# KiCad board Lime_RFE_fab.kicad_pcb (continued)
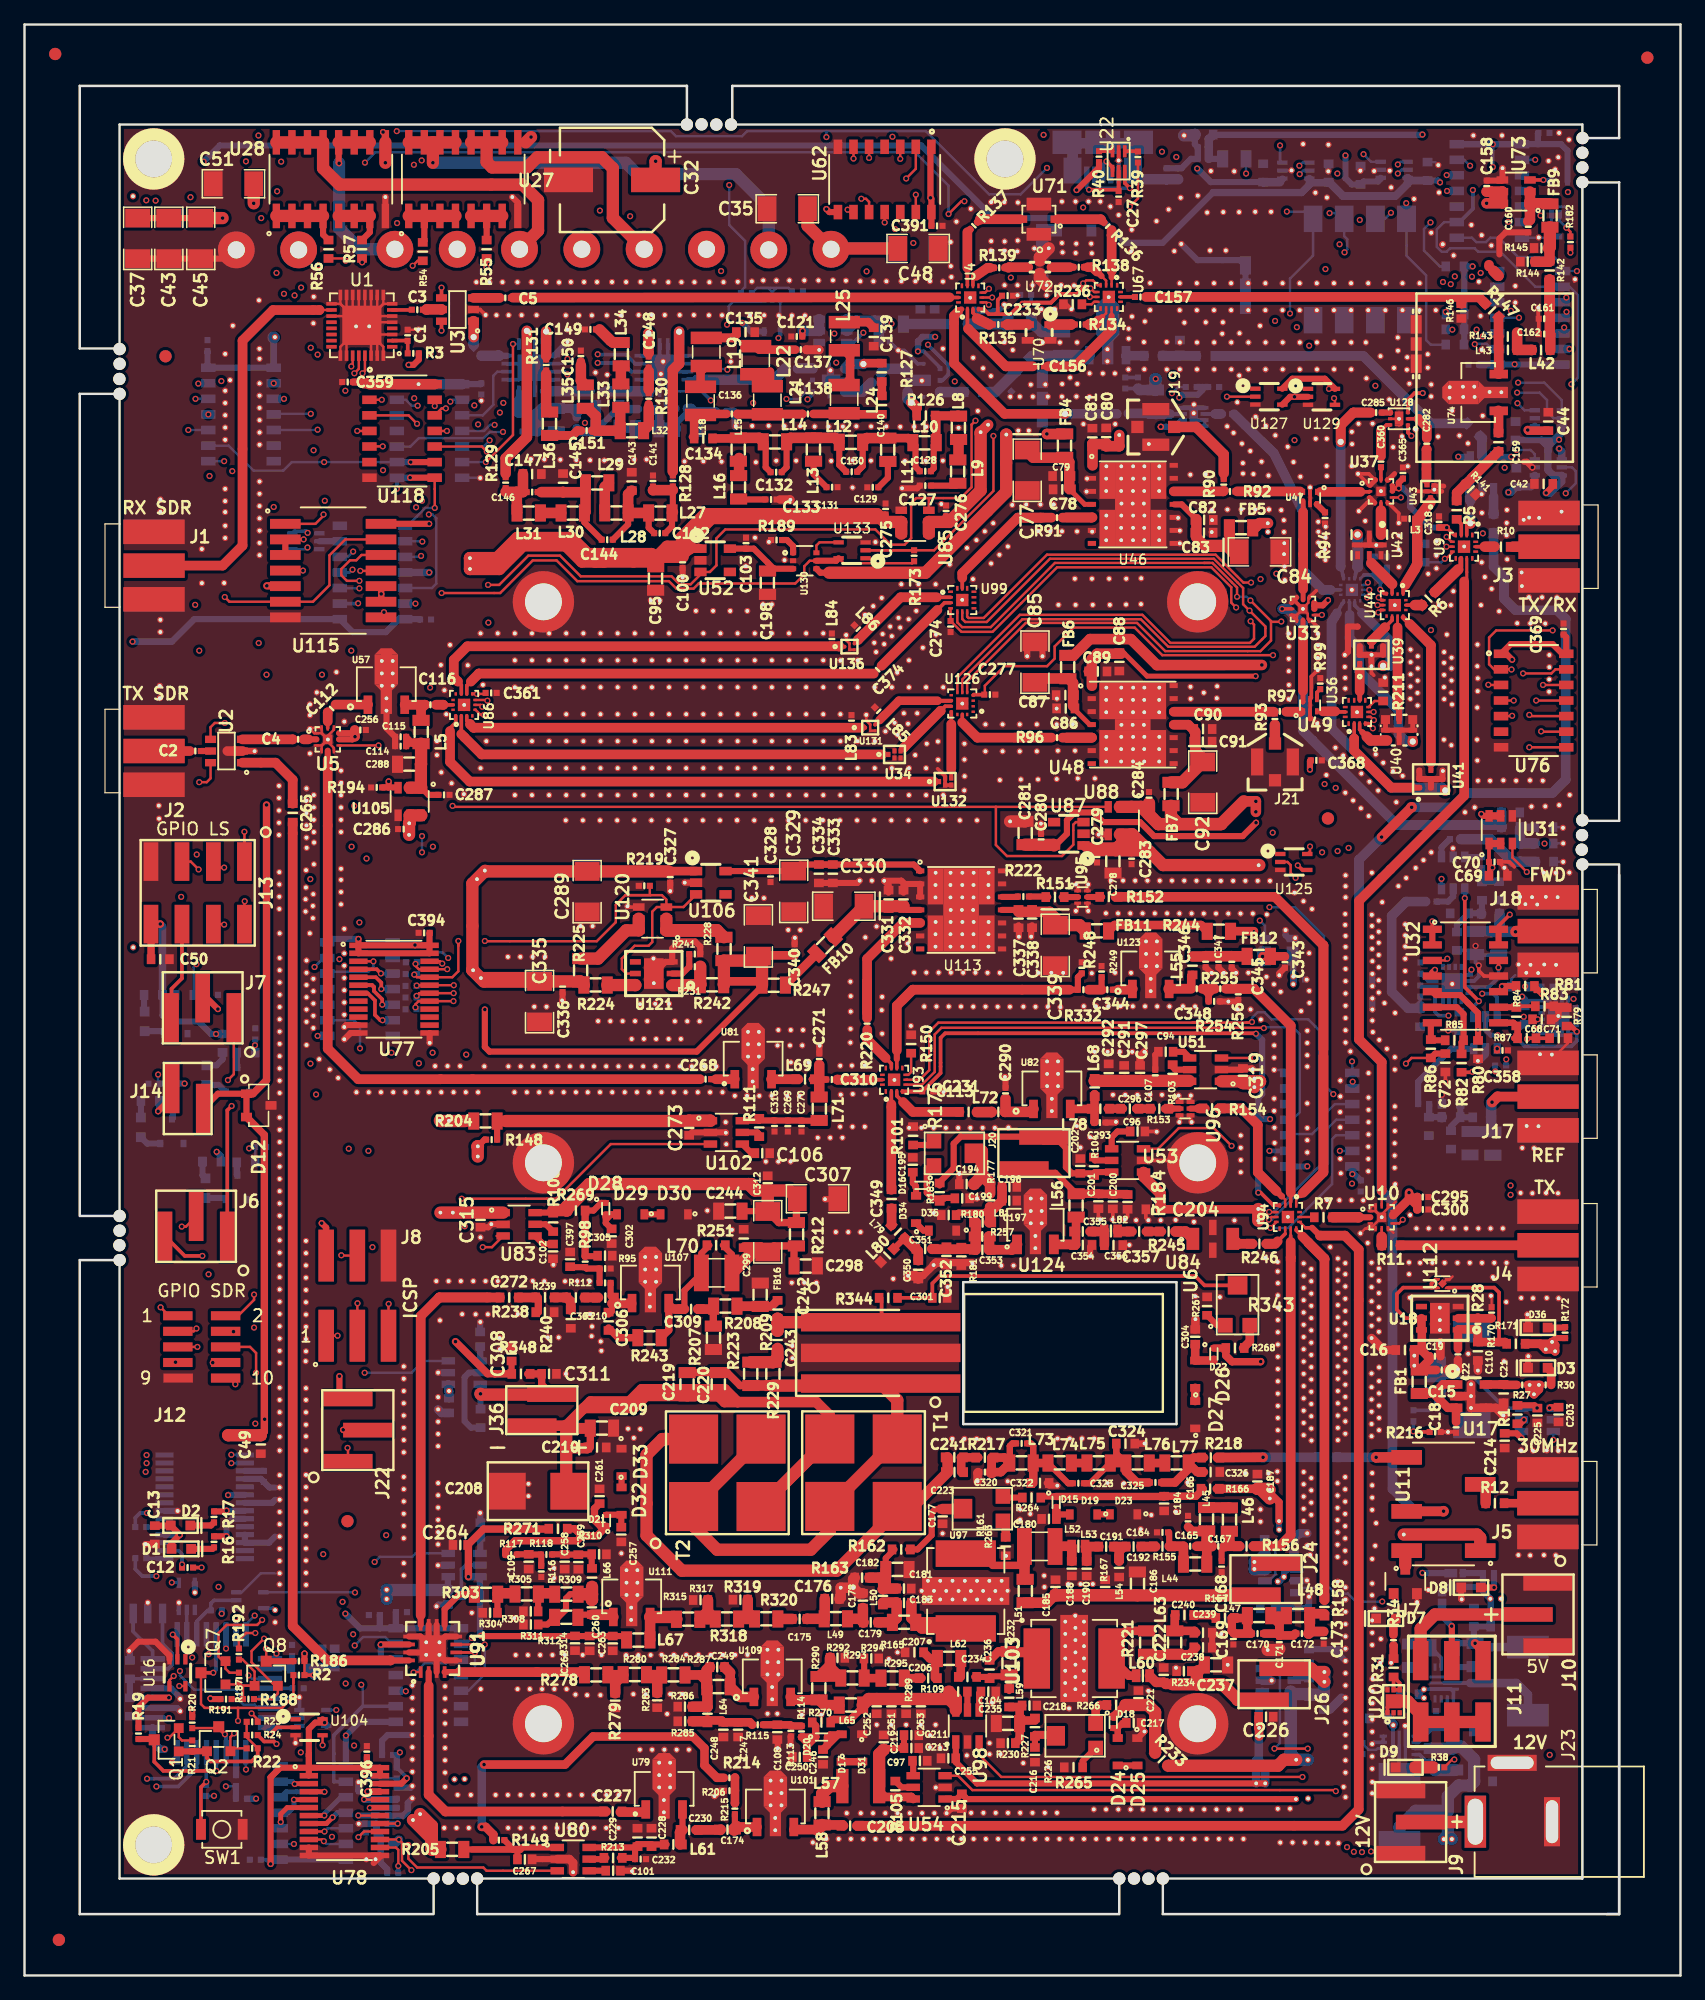
[diagram p0: board, top side]
## Routing (per net, layer and track width the routed paths; a pad name or vN(x,y) marks a point on that pad's centre or on a via; arc(x,y) is an arc through that point) (continued)
VDD_I2C: length 329.2
  T w0.2: 16.6,48.77 v1(17.19,48.18) ; v1(18.81,27.91) 18.05,27.91 17.48,27.34 R192.1
  T w0.3: v1(19.58,45.33) 19.55,45.31 19.55,44.34 19.25,44.04 16.6,44.04 ; v1(20.54,18.87) 20.34,19.07 19.53,19.07 R24.1
  T w0.5: J14.2 15.76,71.86 D12.1 D12.2
  T w0.6: C49.1 19.55,44.32 19.55,68.5 D12.2 ; v1(19.73,95.4) 19.73,72.97 18.62,71.86 D12.1
  T w0.7: v1(122.55,125.95) 122.6,125.9 C44.1
  T w1: 19.25,44.04 C49.1 16.61,44.03 16.6,44.04
  SIG1 w0.5: v1(107.69,148.33) 107.71,148.33 ; 25.34,126.49 25.93,127.07 38.45,127.07 v1(38.75,127.38)
  SIG1 w0.6: 25.34,126.49 25.34,125.12 24.53,124.3 v1(23.56,124.3) ; v1(24.25,106.02) v1(19.73,106.02)
  SIG2 w0.6: 23.56,118.11 24.25,117.42 ; 23.56,118.11 24.25,117.42 ; 23.56,118.11 v1(23.56,124.3) 23.56,118.11 ; 24.25,117.42 v1(24.25,106.02) ; v1(19.73,106.02) v1(19.73,95.4)
  PWR w0.2: 19.58,47.32 18.71,48.18 v1(17.19,48.18)
  PWR w0.3: 21.3,28.06 21.3,30.3 19.58,32.02 v1(19.58,45.33) 19.58,47.32 18.71,48.18 v1(17.19,48.18) ; 21.3,28.06 18.97,28.06 v1(18.81,27.91) ; 21.3,28.06 21.3,25.47 20.85,25.01 20.85,19.17 v1(20.54,18.87)
  PWR w0.5: v1(118.05,139.29) 118.13,139.37 122.55,139.37 ; 96.61,148.31 95.6,147.29 v1(95.6,147.26) ; v1(122.55,125.95) 124.06,124.44 124.06,121.93 123.01,120.87 v1(120.97,120.87) ; v1(107.69,148.33) 108.7,149.35
  PWR w0.6: v1(38.75,127.38) 38.8,127.33 69.46,127.33 71.16,129.03 78.99,129.03 82.03,132.07 85.76,132.07 86.54,132.85 86.54,133.8 87.11,134.38 87.88,134.38 91.03,137.52 91.03,142.72 93.54,145.23
  PWR w0.7: 92.09,143.78 96.61,148.31 101.9,148.31 101.92,148.33 v1(107.69,148.33) ; 108.7,149.35 112.31,149.35 113.35,148.31 121.02,148.31 122.55,146.78 v1(122.55,125.95)
  B w0.2: 102.55,146.35 102.35,146.15 ; R61.2 R59.2 117.38,134.18 R58.2
  B w0.5: 96.7,146.16 v1(95.6,147.26) 96.7,146.16 ; 96.7,146.16 C36.1 ; v1(107.69,148.33) 107.69,146.48 108.2,145.97 C33.1 109.17,146.21 110.35,146.21 110.55,146.41 U24.1 ; R61.2 117.38,132.94 R58.2 117.38,139.26 R60.2 v1(118.05,139.29) ; 102.35,146.15 102.55,146.35 U23.1 ; U25.1 122.82,125.95 v1(122.55,125.95)
  B w0.6: v1(120.97,120.87) 121.16,120.87 C40.1 122.8,121.33 123.12,121.65 U26.1 ; 122.82,125.95 U25.1
  B w0.7: C36.1 100.99,146.15 102.35,146.15
VDDA: length 297.8
  T w0.5: v1(124.05,120.82) 124.59,121.37 C42.1 ; J14.1 12.03,71.57 v1(10.89,70.43)
  T w0.6: v1(11.07,85.7) 11.06,85.69 J13.5 10.32,85.67 C50.1
  SIG1 w0.5: v1(125.82,145.35) 123.73,145.35 122.57,146.5 118.18,146.5 117.77,146.1 115.44,146.1 v1(115.4,146.13)
  SIG2 w0.5: v1(14.6,147.82) 14.6,147.11 11.91,144.42 11.91,134.99 12.94,133.96 12.94,131.25 11.91,130.22 11.91,93.31 11.07,92.48 v1(11.07,85.7)
  PWR w0.5: v1(15.61,76.73) 13.84,76.73 12.06,74.95 12.06,72.92 10.89,71.75 v1(10.89,70.43) 10.89,68.25 12.01,67.13 v1(15.66,67.13) ; v1(125.1,125.17) 125.1,133.07 124.73,133.43 124.73,135.05 125.01,135.33 125.01,143.04 125.82,143.85 v1(125.82,145.35)
  B w0.2: 15.21,76.73 14.14,77.8 11.7,77.8 11.25,78.25 R49.2
  B w0.3: v1(15.61,76.73) 15.61,76.73 R52.2
  B w0.5: C34.1 106.31,146.15 104.95,146.15 ; C34.1 106.48,146.16 107.61,145.03 111.77,145.03 112.95,146.21 112.75,146.01 U24.6 112.75,146.29 C38.1 115.25,146.29 v1(115.4,146.13) ; C34.1 105.03,146.16 U23.6 104.75,145.95 104.11,145.31 104.95,146.15 ; C34.1 104.96,146.16 104.95,146.15 ; 96.89,145.31 92.8,141.22 89.71,141.22 87.7,143.23 79.01,143.23 73.09,149.14 15.92,149.14 v1(14.6,147.82) ; R49.2 11.25,78.25 11.75,77.74 14.19,77.74 15.21,76.73 R52.2 ; v1(10.89,70.43) 10.99,70.53 R48.2 ; v1(15.66,67.13) 16.01,66.78 R53.2 ; 125.32,125.76 124.71,125.14 ; 125.32,125.76 125.1,125.53 v1(125.1,125.17) ; 125.32,125.76 U25.6 ; 124.71,125.14 123.56,125.14 ; 124.71,125.14 C46.1 ; 123.56,125.14 C46.1 ; 123.56,125.14 123.69,125.14 ; C46.1 123.69,125.14 ; 123.69,125.14 124.2,124.63
  B w0.6: 123.69,125.14 124.2,124.63 ; 124.2,124.63 125.23,125.66 125.23,125.69 125.25,125.69 125.32,125.76 ; 124.2,124.63 124.2,122.69 124.64,122.25 U26.6 125.32,121.76 124.39,120.82 v1(124.05,120.82) ; v1(11.07,85.7) 11.25,85.52 R49.2 ; 112.75,146.01 113.02,146.29 C38.1 ; 112.75,146.01 111.77,145.03 ; 112.75,146.01 112.75,146.29 ; 112.75,146.01 111.77,145.03 ; 112.75,146.01 U24.6 ; 112.75,146.01 111.77,145.03 ; 112.97,146.29 U24.6 ; 112.97,146.29 U24.6 ; 112.97,146.29 C38.1 ; U24.6 112.75,146.29 ; 111.77,145.03 107.45,145.03 ; 111.77,145.03 107.45,145.03 ; 107.45,145.03 C34.1 106.25,146.1 104.75,146.1 ; 112.75,146.29 114.38,146.29 C38.1 ; U23.6 104.75,145.95 104.11,145.31 96.89,145.31
(no net): length 2.5
  T w0.5: 119.39,139.29 120.16,138.52
  T w0.79: 119.39,139.42 119.39,139.29
  T w0.86: 120.15,138.52 119.75,138.92 120.16,138.52
  B w0.2: 111.1,117.5 111.1,117.32
/30MHz_RELAY_CTR: length 134.4
  T w0.2: v1(111.8,30.56) 111.62,30.75 111.62,31.41
  T w0.3: v1(111.8,30.56) 111.62,30.75 U7.2
  SIG2 w0.2: 19.93,8.3 18.05,10.18 ; 19.93,8.3 18.05,10.18 ; 19.93,8.3 18.05,10.18 ; 19.93,8.3 28.57,8.3 29.84,9.57 50.77,9.57 51.99,8.35 88.45,8.35 88.9,8.8 93.2,8.8 93.65,8.35 112.22,8.35 113.2,9.33 113.2,26.5 111.8,27.9 v1(111.8,30.56) ; 18.05,10.18 v1(18.05,16.78)
  B w0.2: v1(18.05,16.78) 18.03,16.81 U12.25
/30MHz_RX: length 105.4
  T w0.79: 115.68,37.83 U11.7 ; v1(110.64,92.78) 113.06,95.21
  T w0.86: v1(115.69,37.84) 115.68,37.83 ; 113.06,95.21 v1(113.08,95.21)
  B w0.79: v1(113.08,95.21) 116.41,95.21 117.57,96.36 122.24,96.36 ; v1(110.64,92.78) 108.79,90.94 108.79,76.25 110.62,74.42 110.62,63.97 111.52,63.07 111.52,39.66 113.34,37.84 v1(115.69,37.84) ; 122.24,96.36 124.55,96.36 125.65,97.46 125.65,110.56 124.94,111.27 121.56,111.27 120.62,112.21 120.62,113.97 119.77,114.82 C313.1 ; 122.24,96.36 121.3,96.36
/30MHz_TX: length 5.7
  T w0.86: v1(110.19,42.23) 110.2,42.22 U11.5
  B w0.79: R8.1 v1(110.19,42.23)
/ATTEN0: length 21.4
  T w0.2: v1(27.55,130.58) 27.75,130.78 U1.29
  SIG2 w0.2: v1(27.3,113.05) 27.55,113.05 28.21,113.71 28.21,129.92 v1(27.55,130.58)
  B w0.2: U116.3 25.73,113.05 v1(27.3,113.05)
/ATTEN1: length 19.5
  T w0.2: v1(26.89,130.58) 27.25,130.94 U1.28
  SIG2 w0.2: v1(26.74,114.57) 26.76,114.57 27.75,115.57 27.75,129.71 v1(26.89,130.58)
  B w0.2: v1(26.74,114.57) 26.51,114.35 U116.4
/ATTEN2: length 18
  T w0.2: v1(26.64,131.14) 26.75,131.25 U1.27
  SIG2 w0.2: v1(26.79,116.05) 26.48,116.35 26.48,126.51 26.84,126.87 26.84,129.71 26.23,130.32 26.23,130.73 v1(26.64,131.14)
  B w0.2: v1(26.79,116.05) 26.36,115.62 U116.5
/BAND38_TX_ENn: length 226.8
  T w0.2: v1(78.99,125.47) 78.99,120.99 74.15,116.15 U133.2 68.57,116.15 R173.2 ; U127.2 v1(98.02,128.67)
  SIG1 w0.2: v1(98.02,128.67) 98.02,127.38 97.15,126.5 95,126.5 94.21,127.29 86.05,127.29 85.34,126.58 79.96,126.58 78.99,125.6 v1(78.99,125.47) 78.76,125.24 58.54,125.24 57.7,124.4 40.24,124.4 38.64,122.8 35.58,122.8 35.13,123.25 32.56,123.25 31.73,124.07 26.15,124.07 24.81,122.73 20.06,122.73 18.8,123.99 15.45,123.99 15.08,123.62 v1(15.08,122.21)
  SIG2 w0.2: 15.59,65.13 15.59,56.22 14.55,55.18 14.55,35.62 15.52,34.64 15.52,32.37 15.25,32.09 15.25,27.06 15.96,26.35 15.96,24.19 15.7,23.93 15.7,18.87 16.41,18.16 v1(16.41,15.41) ; 15.59,65.13 15.59,66.14 15.74,66.29 ; 15.59,65.13 15.59,65.6 16.39,66.4 16.39,67.74 15.59,68.54 15.59,74.79 ; 15.59,74.79 15.59,75.84 15.58,75.85 ; 15.59,74.79 15.59,76.02 15.13,76.47 15.13,77.74 15.3,77.91 15.3,121.99 v1(15.08,122.21)
  B w0.2: v1(16.41,15.41) 17.23,15.41 R4.1
  B w0.5: R4.1 17.23,15.42 R100.1
/Cell/BAND38_RX: length 19.6
  T w0.79: 108.34,127.38 107.31,126.35 107.31,124.96 ; 108.34,127.38 107.29,126.34 TRANS_VIA#7.1 ; 108.34,127.38 C285.2 108.34,127.38
  B w0.3: 107.54,113.88 107.46,114.18 107.3,114.82
  B w0.79: 107.3,114.82 107.29,114.83 TRANS_VIA#7.1
/Cell/BAND38_TX: length 1
  T w0.3: U37.11 C360.2
/Cell/BAND38_TXRX: length 3
  T w0.3: 114.34,122.73 114.29,122.77 ; U43.4 114.29,121.5 114.29,121.93
  T w0.79: C282.1 114.29,124.36 114.29,121.93
/Cell/CELL_PREDRIVER/OUT: length 2
  T w0.3: C116.2 33.55,103.55 U86.13
  T w0.79: 34.14,103.55 34.13,103.56 C116.2
/Cell/LNA/IN: length 18.3
  B w0.3: 107.26,112.92 106.47,112.92
  B w0.79: 98.6,127.24 99.53,126.33 101.85,124.05 104.22,119.27 104.22,114.53 105.83,112.92 106.47,112.92
/Cell/LNA_PD_2V5: length 63.9
  T w0.2: v1(37.69,124.2) 37.28,124.61 U118.10
  SIG1 w0.2: v1(37.69,124.2) 39.06,124.2 39.64,124.79 57.37,124.79 58.56,125.98 58.56,126.56 59.35,127.35 72.94,127.35 73.78,128.19 87.6,128.19 88.36,128.95 v1(93.54,128.95)
  B w0.2: v1(93.54,128.95) 94.05,129.46 R89.1
/Cell/PA1_CPL: length 16.4
  T w0.1: 104.23,112.11 104.24,112.1
  T w0.3: 104.23,112.98 104.22,112.97 U33.11 104.22,119.88 U47.4
  T w0.4: 104.23,112.98 104.23,112.11 ; 104.23,120.19 104.23,119.26
  T w0.79: 104.23,119.26 104.23,112.98
/Cell/PA1_EN_2V5: length 79
  T w0.2: v1(32,126.46) 31.31,127.15 U118.3 ; v1(77.53,126.72) 77.21,126.4 77.21,121.29 76.32,120.4 73.74,120.4 ; U52.3 55.88,114.39 56.41,114.92 56.41,117.13 57.13,117.85 69.36,117.85 70.6,116.61 71.75,116.61 72.28,117.14 72.28,120 72.69,120.4 73.74,120.4 ; U52.3 54.86,114.39 ; U52.3 55.1,114.17 54.31,113.38 53.4,113.38 52.75,114.03 45.34,114.03 43.66,115.72 41.08,115.72 38.69,113.33 v1(37.79,113.33) ; 73.74,120.4 73.74,120.34 73.74,120.39 73.72,120.4 U85.3
  SIG1 w0.2: v1(36.97,126.41) 36.92,126.46 v1(32,126.46)
  SIG2 w0.2: v1(37.79,113.33) 37.79,120.2 36.14,121.85 36.14,125.57 v1(36.97,126.41)
/Cell/PA2_CPL: length 6.7
  T w0.4: 104.21,103.78 104.22,103.79 104.22,104.69 ; U33.5 104.22,109.72
  T w0.79: 104.22,104.69 104.22,109.72
/Cell/PA2_EN_2V5: length 107.1
  T w0.2: v1(27.12,125.88) U118.4 ; v1(34.89,95.32) 34.97,95.24 79.19,95.24 ; 79.19,95.24 U88.3 ; 79.19,95.24 79.19,92.13 80.09,91.23 84.57,91.23 85.5,92.16 85.5,93.79 85.71,94 U87.3
  SIG1 w0.2: v1(26.88,95.32) v1(34.89,95.32)
  SIG2 w0.2: v1(26.88,95.32) 26.88,98.37 26.36,98.89 26.36,101.37 26.73,101.74 26.73,102.79 26.07,103.45 26.07,114.7 26.72,115.36 26.81,115.36 27.31,115.85 27.31,116.72 27.12,116.91 v1(27.12,125.88)
/Cell/PA_1_2_3/IN: length 10.2
  T w0.3: 77.68,100.88 76.45,102.12 U126.13
  T w0.79: 76.45,102.12 77.68,100.88 R96.2
/Cell/PA_1_2_3/OUT: length 3.2
  T w0.2: U36.13 107.62,103.02 106.85,103.02 ; U49.3 105.85,103.02
  T w0.3: 106.85,103.02 106.9,102.97 U36.13
  T w0.79: 106.85,103.02 105.85,103.02
/Cell/PA_1_2_3/VREF: length 55.3
  T w0.4: v1(100.36,105.89) 91.51,105.89 89.69,107.72 89.38,107.72 89.63,107.72
  T w0.5: v1(100.4,93.95) 99.31,92.86 92.08,92.86 90.94,94 87.93,94 87.14,94.79 85.62,94.79 84.98,94.15 84.98,93.05 84.03,92.1 U87.5
  T w0.79: C89.1 87.02,106.51 86.78,106.28 C89.1 ; C89.1 87.01,106.54 87.01,107.16
  T w0.86: 89.38,107.72 87.44,107.72 87.01,107.29 87.01,106.52 87.02,106.51 87.02,105.11
  T w1: U87.5 83.89,92.14 C280.1 82.86,92.16 C281.1
  SIG1 w0.4: 99.17,104.7 v1(100.36,105.89)
  SIG1 w0.5: v1(100.36,105.89) 99.17,104.7 99.17,94.62 99.84,93.95 v1(100.4,93.95)
  B w0.4: v1(100.36,105.89) 100.35,105.88 100.36,105.88
/Cell/PA_7_38/IN: length 11.8
  T w0.3: U99.13 76.45,113.9
  T w0.79: 82.85,118.81 81.41,118.81 ; 82.85,118.81 80.98,118.81 76.45,114.28 76.45,113.9 ; 82.85,118.81 R91.2
/Cell/PA_7_38/OUT: length 4.3
  T w0.3: U37.2 109.61,120.91 108.9,120.91 ; U47.1 105.67,120.91
  T w0.79: 105.67,120.91 108.9,120.91
/Cell/PA_7_38/VREF: length 40.3
  T w0.5: 65.6,114.32 64.88,114.32 U130.4 ; 74.53,115.4 73.45,114.32
  T w0.86: 87.08,124.84 87.07,124.85 87.07,123.07 ; 88.22,124.86 88.16,124.81 87.05,124.81 ; C80.1 88.19,124.63 89.24,124.63 89.25,124.64 GND_VIA#1022.1
  T w1: GND_VIA#1023.1 80.03,125.57 80.03,120.9 73.45,114.32 65.6,114.32
  SIG2 w1: 80.04,125.33 81.2,124.18 88,124.18 89.25,125.42 GND_VIA#1022.1 ; 80.04,125.33 GND_VIA#1023.1 ; 80.04,125.33 80.04,125.57
/Cell/PRED_EN_2V5: length 31.6
  T w0.2: v1(29.2,124.62) 28.13,124.62 U118.5
  T w0.5: U105.3 30.43,96.83 29.67,96.83 ; 29.67,96.83 29.69,96.84 v1(29.69,97.32) ; 29.67,96.83 R194.2
  SIG2 w0.2: v1(29.2,124.62) 29.8,124.02 29.8,112.52 28.39,111.11 28.39,98.61 v1(29.69,97.32)
/Cell/RX: length 20.2
  T w0.4: 75.77,135.25 76.32,135.8 U4.1
  T w0.79: 76.1,135.58 75.77,135.25 75.77,131.39 79.89,127.27 TRANS_VIA#13.1
  B w0.79: C76.2 TRANS_VIA#13.1
/Cell/SW1_V1_2V5: length 21.6
  T w0.2: v1(122.67,102.74) 122.78,102.64 U76.10
  T w0.25: v1(110.36,111.08) 110.56,111.28 110.76,111.28
  SIG1 w0.2: v1(110.36,111.08) 111.06,110.38 118.9,110.38 122.67,106.61 v1(122.67,102.74)
/Cell/SW1_V2_2V5: length 21.8
  T w0.2: v1(123.23,103.91) U76.11
  T w0.25: 110.76,111.68 v1(110.3,111.68)
  SIG1 w0.2: 117.19,111.07 116.74,111.07 ; 116.74,111.07 111.47,111.07 110.86,111.68 v1(110.3,111.68) ; 116.74,111.07 119.42,111.07 123.07,107.42 123.07,104.07 v1(123.23,103.91)
  B w0.2: 110.62,111.68 v1(110.3,111.68)
/Cell/SW1_V3_2V5: length 33.1
  T w0.2: v1(123.79,105.18) U76.12
  T w0.25: v1(110.39,112.3) 110.61,112.08 110.76,112.08
  SIG1 w0.2: v1(110.39,112.3) 110.4,112.3 116.22,112.3 ; v1(110.39,112.3) 121.4,112.3 123.38,110.33 123.38,109.66 123.56,109.48 123.56,105.41 v1(123.79,105.18) ; v1(110.39,112.3) 116.2,112.3
/Cell/SW2_CTRL_2V5: length 54.5
  T w0.2: v1(124.58,109.62) 119.98,109.62 119.4,109.04 119.4,106.85 119.8,106.45 U76.2 121.21,106.45 v1(121.23,106.43) ; v1(112.21,120.45) 112.21,120.45 U37.7
  SIG1 w0.2: v1(125.95,132.56) 125.65,132.25 125.65,121.48 124.37,120.2 124.37,111.52 124.58,111.3 v1(124.58,109.62) ; v1(121.23,106.43) 120.31,107.35 120.31,108.21 118.53,109.99 115,109.99 v1(114.66,109.65)
  SIG2 w0.2: v1(114.66,109.65) 112.82,111.49 112.82,119.85 v1(112.21,120.45)
/Cell/SW3_V2_2V5: length 13.3
  T w0.2: v1(109.98,102.97) U36.6 ; U76.4 v1(121.4,103.91)
  SIG1 w0.2: v1(121.4,103.91) 120.36,102.87 112.39,102.87 112.28,102.97 v1(109.98,102.97)
/Cell/SW3_V3_2V5: length 12.9
  T w0.2: v1(110,102.31) 109.74,102.57 U36.5 ; v1(121.28,102.66) 121.25,102.64 U76.5
  SIG1 w0.2: v1(121.28,102.66) 120.93,102.31 v1(110,102.31)
/Cell/SW4_V1_2V5: length 38.9
  SIG1 w0.2: v1(125.7,136.75) 124.71,136.75 124.12,136.16 124.12,135.58 123.64,135.1 123.64,125.01 123.82,124.84 123.82,122.86 122.4,121.43 116.6,121.43 114.13,118.96 111.11,118.96 109.48,117.33 109.48,116.34 108.96,115.82 108.96,112.64 109.3,112.3 v1(109.45,112.3)
  B w0.2: v1(109.45,112.3) 109.23,112.52 109.17,112.52 ; 125.39,136.38 U119.10 125.7,136.68 v1(125.7,136.75) 125.39,136.38
/Cell/SW4_V2_2V5: length 35.3
  T w0.2: v1(109.63,112.92) 109.63,112.93
  SIG1 w0.2: 110.6,113.89 v1(109.63,112.92) 109.64,112.92 110.56,113.84 112.34,113.84 113.73,115.24 113.73,117.71 115.81,119.78 120.4,119.78 120.65,120.03 122.32,120.03 124.55,122.27 124.55,133.83 125.04,134.31 v1(125.52,134.31)
  B w0.2: U119.12 125.52,133.96 v1(125.52,134.31) ; 109.17,112.92 v1(109.63,112.92)
/Cell/SW4_V3_2V5: length 34.5
  SIG1 w0.2: v1(125.71,135.58) 124.73,135.58 124.12,134.97 124.12,122.58 121.92,120.37 120.29,120.37 120.03,120.11 115.71,120.11 112.37,116.77 111.31,116.77 109.51,114.98 v1(109.51,113.52) 109.51,113.56
  B w0.2: v1(109.51,113.52) 109.31,113.32 109.17,113.32 ; U119.11 125.39,135.11 v1(125.71,135.58)
/Cell/SW5_V1_2V5: length 133.1
  T w0.2: v1(33.44,127.91) 33.44,127.92 U118.13 ; v1(37.74,103.89) 37.68,103.95 U86.7
  SIG1 w0.2: 41.5,128.16 42.36,128.16 ; 41.5,128.16 v1(39.03,128.16) 38.21,128.99 34.52,128.99 v1(33.44,127.91) ; 41.5,128.16 53.64,128.16 54.55,129.08 75,129.08 v1(75.84,129.92) ; v1(118,138.45) 117.47,138.98 115.09,138.98 114.62,139.46 107.77,139.46 106.68,140.55 100,140.55 98.43,138.98 88.13,138.98 87.52,138.37 v1(80.41,138.37)
  SIG2 w0.2: v1(80.41,138.37) 76.8,138.37 75.84,137.41 v1(75.84,129.92) ; v1(118.23,132.95) 117.7,133.48 117.7,136.9 118,137.21 v1(118,138.45) ; v1(39.03,128.16) 38.45,128.16 37.78,127.5 37.78,126.14 39.29,124.63 39.29,104.75 38.44,103.89 v1(37.74,103.89)
  B w0.2: v1(37.74,103.89) 37.74,103.88 ; 119.8,132.56 U119.2 119.62,132.56 119.19,132.98 118.27,132.98 v1(118.23,132.95)
/Cell/SW5_V2_2V5: length 30.4
  T w0.2: v1(37.32,103.4) 37.17,103.55 U86.6 ; v1(34.35,127.72) 34.01,127.72 U118.12
  SIG1 w0.2: v1(36.67,127.96) 36.43,127.72 v1(34.35,127.72)
  SIG2 w0.2: v1(36.67,127.96) 35.73,127.02 35.73,121.66 37.13,120.26 37.13,110.08 37.89,109.32 37.89,104.76 37.15,104.02 37.15,103.56 v1(37.32,103.4)
/Cell/SW5_V3_2V5: length 27.3
  T w0.2: v1(37.46,102.74) 37.18,102.74 36.77,103.15 U86.5 ; U118.11 v1(34.44,125.88)
  SIG2 w0.2: v1(34.44,125.88) 35.22,125.09 35.22,103.23 35.72,102.74 v1(37.46,102.74)
/Cell/SW6_V1_2V5: length 105.2
  T w0.2: v1(99.95,110.37) 100.23,110.09 100.23,108.94 99.9,108.61 93.41,108.61 91.13,110.89 81.15,110.89 76.05,105.79 U126.7 ; v1(99.99,113.52) 99.37,113.52 97.1,115.79 83.36,115.79 78.2,110.64 76.95,110.64 76.85,110.75 U99.7
  SIG1 w0.2: v1(121.18,135.67) 120.59,136.25 117.59,136.25 116.41,135.07 103.93,135.07 103.7,134.84 v1(101.95,134.84)
  SIG2 w0.2: v1(99.95,110.37) 99.8,110.37 99.33,110.84 99.33,112.86 v1(99.99,113.52) 99.99,114.73 102.11,116.85 102.11,118.83 101.95,118.99 101.95,120.08 101.53,120.49 101.53,121.48 101.95,121.9 101.95,124.4 102.6,125.06 102.6,125.95 101.95,126.61 v1(101.95,134.84)
  B w0.2: v1(121.18,135.67) 120.48,136.37 U119.5
/Cell/SW6_V2_2V5: length 107.7
  T w0.2: U126.6 76.45,105.62 81.36,110.53 91.01,110.53 93.25,108.29 100.28,108.29 101.16,109.16 101.16,109.94 v1(99.87,111.23) 99.34,111.76 99.34,113.08 96.96,115.46 83.6,115.46 78.44,110.31 76.69,110.31 76.45,110.55 U99.6
  SIG1 w0.2: v1(102.05,114.24) 102.05,112.49 100.79,111.23 v1(99.87,111.23) ; v1(103.73,134.34) 104.04,134.65 119.45,134.65 119.9,135.11 v1(121.84,135.11)
  SIG2 w0.2: v1(102.05,114.24) 103.14,114.24 103.42,114.52 103.42,122.27 102.91,122.78 102.91,123.6 104.09,124.79 104.09,129.41 103.28,130.23 103.28,133.89 v1(103.73,134.34)
  B w0.2: v1(121.84,135.11) 121.83,135.1 U119.4
/Cell/SW6_V3_2V5: length 102.9
  T w0.2: 96.17,115.12 84,115.12 78.77,109.89 76.43,109.89 76.05,110.28 U99.5 ; 96.17,115.12 96.63,115.12 ; 96.17,115.12 96.84,115.12 98.85,113.11 v1(98.85,112.37) ; 101.62,110.32 101.62,108.8 100.75,107.93 92.99,107.93 90.7,110.23 81.63,110.23 76.85,105.45 U126.5 ; 101.62,110.32 101.62,110.38 v1(99.94,112.06) ; 101.62,110.32 102.43,110.32 v1(102.46,110.35)
  SIG1 w0.2: v1(104.73,132.82) 105.12,132.44 109.57,132.44 110.1,132.96 112.6,132.96 113.23,133.59 v1(118.88,133.59)
  SIG2 w0.2: v1(102.46,110.35) 103.26,111.15 103.26,113.24 103.8,113.79 103.8,121.13 104.69,122.01 104.69,132.78 v1(104.73,132.82)
  B w0.2: v1(98.85,112.37) 99.64,112.37 v1(99.94,112.06) ; v1(118.88,133.59) 119.12,133.83 U119.3 119.77,133.53
/Cell/SW_CPL_CTRL_2V5: length 18.8
  T w0.2: v1(119.33,105.19) 119.35,105.18 U76.3
  T w0.25: v1(105.76,110.88) 105.75,110.87 U33.7
  SIG1 w0.2: v1(105.76,110.88) 107.99,108.66 116.19,108.66 117.04,107.81 117.04,105.79 117.63,105.19 v1(119.33,105.19)
  B w0.25: v1(105.76,110.88) 105.77,110.89 105.79,110.89
/Cell/TDD_SW_V1: length 17.5
  T w0.3: v1(113.06,125.47) 112.78,125.75 U128.1
  T w0.5: U127.4 103.18,128.66 v1(103.54,128.66) U129.2
  SIG1 w0.2: v1(103.54,125.13) 103.87,125.13 104.39,124.6 106.42,124.6 106.72,124.3 108.65,124.3 109.49,125.14 111.81,125.14 112.07,124.87 112.59,124.87 113.06,125.34 v1(113.06,125.47)
  SIG2 w0.2: v1(103.54,128.66) v1(103.54,125.13)
/Cell/TDD_SW_V2: length 11.1
  T w0.2: v1(106.76,128.54) 106.83,128.47 U129.4
  T w0.3: U128.3 112.78,128.42 113.33,128.96 v1(113.99,128.96)
  SIG1 w0.2: v1(106.76,128.54) 107.18,128.96 110.33,128.96 111.06,129.69 112.08,129.69 112.81,128.96 v1(113.99,128.96)
/Cell/TX: length 1.3
  T w0.3: 24.72,102.94 C112.1 ; U5.11 24.72,102.2
  T w0.79: C112.1 24.72,102.94 24.72,102.2
/Cell/TXRX: length 1.3
  T w0.3: 112.67,111.68 113.35,111.68
  T w0.86: 113.35,111.68 R6.2
/CPL: length 32.3
  T w0.3: 102.51,111.38 v1(102.52,111.37) U33.2
  B w0.79: 120.24,93.76 111.91,93.76 104.23,101.44 104.23,110.1 102.96,111.37 v1(102.52,111.37)
  B w0.86: R65.1 120.4,93.6 R68.1 120.24,93.76
/DATA1: length 100.5
  SIG1 w0.2: v1(12.77,87.9) 15.16,87.9 17.04,86.03 22.7,86.03 23.12,85.61 24.55,85.61 24.77,85.82 v1(27.3,85.82)
  SIG2 w0.2: v1(27.3,85.82) 27.2,85.92 27.2,91.41 27.7,91.92 27.7,95.04 27.49,95.26 27.49,103.88 27.2,104.17 v1(27.2,111.83) ; v1(12.01,32.02) 11.8,32.23 11.8,71.7 12.36,72.26 12.36,72.97 12.77,73.38 v1(12.77,87.9)
  B w0.2: U15.4 12.55,32.02 v1(12.01,32.02)
  B w0.3: v1(27.2,111.83) 27.17,111.81 U116.2
/DATA2: length 138.8
  SIG1 w0.2: v1(33.09,132.15) 33.09,131.36 32.45,130.73 30.55,130.73 29.94,130.12 25.52,130.12 24.53,131.11 14.93,131.11 14.17,130.35 v1(14.17,129.74) ; v1(123.16,147.98) 122.95,148.18 110.46,148.18 108.48,150.16 100.32,150.16 99.51,149.35 84.83,149.35 84.02,148.53 84.02,146.99 82.16,145.13 78.5,145.13 73.27,150.36 58.66,150.36 58.2,149.9 53.1,149.9 52.64,150.36 33.06,150.36 32.38,149.68 v1(32.38,147.93)
  SIG2 w0.2: v1(33.09,132.15) 33.09,144.93 32.38,145.64 v1(32.38,147.93)
  B w0.2: U117.13 14.19,129.76 v1(14.17,129.74) ; U68.2 v1(123.16,147.98)
/DATA3: length 120
  SIG1 w0.2: v1(86.3,144.09) 86.76,143.63 88.64,143.63 89.73,144.72 93.52,144.72 93.9,144.34 111.24,144.34 112.21,145.31 113.43,145.31 114.93,146.81 115.28,146.81 115.97,147.49 v1(117.85,147.49)
  SIG2 w0.2: v1(34.71,128.27) 34.71,131.54 33.44,132.81 33.44,147.11 36.67,150.34 52.66,150.34 ; 58.64,150.34 70.96,150.34 71.67,149.63 71.67,148.74 77.23,143.18 77.82,143.18 78.38,143.73 85.95,143.73 v1(86.3,144.09) ; 58.64,150.34 58.2,149.9 53.1,149.9 52.66,150.34 ; 58.64,150.34 58.3,150 53,150 52.66,150.34
  B w0.2: v1(117.85,147.49) 117.37,147.98 U68.13 ; v1(34.71,128.27) 34.87,128.42 U60.2
/DATA4: length 79.7
  T w0.2: U118.2 v1(29.13,128.42) ; U62.13 v1(72.66,145.13)
  SIG1 w0.2: 67.15,142.41 67.53,142.41 68.75,141.19 v1(72.46,141.19) ; 67.15,142.41 59.89,142.41 ; 67.15,142.41 43.88,142.41 42.66,141.19 42.66,139.95 41.32,138.6 37.46,138.6 37.18,138.88 37.18,142.11 36.34,142.95 30.5,142.95 v1(30.37,142.82)
  SIG2 w0.2: v1(72.46,141.19) 72.66,141.4 v1(72.66,145.13) ; v1(29.13,128.42) 30.02,128.42 30.75,129.15 30.75,133.88 32.12,135.25 32.12,141.93 31.23,142.82 v1(30.37,142.82)
/DATA5: length 71.7
  T w0.2: v1(122.17,106.12) 124.48,106.12 124.81,106.45 U76.13
  SIG1 w0.2: v1(108.22,64.54) 105,64.54 102.33,67.2 v1(101.49,67.2) ; v1(107.94,91.89) 111.27,91.89 111.75,92.38 123.79,92.38 v1(123.92,92.25)
  SIG2 w0.2: v1(108.22,64.54) 108.73,65.04 108.73,75.71 108.18,76.27 108.18,91.66 v1(107.94,91.89) ; v1(123.92,92.25) 122.17,94 v1(122.17,106.12)
  B w0.4: U90.2 v1(101.49,67.2)
/DATA_CLK: length 424.7
  T w0.2: U118.8 33.44,121.16 33.44,121.15 v1(33.44,119.6) ; v1(12.16,24.4) 11.81,24.06 U16.4 ; v1(107.05,91.64) 107.05,91.64 107.06,91.64 ; v1(122.67,100.1) U76.8
  T w0.3: v1(30.35,121.16) 30.35,121.15
  T w0.5: v1(65.37,143.96) 65.62,143.72 U62.8 ; U118.8 v1(31.44,122.07)
  SIG1 w0.2: 84.24,149.86 83.36,148.97 ; 84.24,149.86 83.36,148.97 ; 84.24,149.86 92.68,149.86 93.34,150.52 108.65,150.52 110.43,148.74 125.39,148.74 126,148.13 126,145.9 126.56,145.34 v1(126.56,138.91) 125.98,138.91 125.47,138.4 125.47,137.78 126.56,136.69 126.56,101.6 125.06,100.1 v1(122.67,100.1) 117.23,100.1 116.27,99.13 112.82,99.13 111.44,100.51 109.05,100.51 108.71,100.18 108.71,98.62 108.7,98.62 106.89,96.81 v1(106.89,96.78) ; 83.36,148.97 v1(83.36,147.32) 83.36,148.97 ; v1(26.66,91.99) v1(33.29,91.99) ; v1(30.35,150.31) 31.74,148.92 v1(31.74,147.57) ; v1(16.27,123.41) 18.61,123.41 19.88,122.14 31.36,122.14 v1(31.44,122.07) ; v1(26.18,23.8) 17.8,23.8 17.54,24.05 12.51,24.05 v1(12.16,24.4)
  SIG2 w0.2: 25.06,29.13 26.21,27.99 v1(26.21,19.55) ; 25.06,29.13 25.06,47.11 24.86,47.31 24.86,72.3 24.34,72.82 24.34,74.18 24.86,74.7 24.86,75.61 v1(23.89,76.58) 25.27,76.58 25.47,76.78 26.28,76.78 26.92,77.41 26.92,83.82 26.66,84.07 v1(26.66,91.99) ; 25.06,29.13 26.18,28.01 v1(26.18,23.8) ; 31.74,145.61 v1(31.74,147.57) 31.74,145.61 ; 31.74,145.61 32.58,144.78 32.58,121.2 33.44,120.34 v1(33.44,119.6) 33.6,119.45 33.6,113.95 33.2,113.56 33.2,106.28 33.6,105.89 33.6,103.54 32.94,102.88 32.94,98.66 33.29,98.31 v1(33.29,91.99) ; v1(108.22,74.49) 107.71,75 106.75,75 106.42,75.33 106.42,91.01 v1(107.05,91.64) 107.05,96.63 v1(106.89,96.78) ; v1(65.37,149.83) v1(65.37,143.96)
  B w0.2: 24.67,76.59 U75.8 ; 26.2,19.55 v1(26.21,19.55) ; v1(30.35,121.16) 30.35,121.15 ; v1(108.22,74.49) 108.25,74.46 U90.8 ; 65.35,150.31 73.47,150.31 78.63,145.16 81.2,145.16 v1(83.36,147.32) ; 65.35,150.31 65.35,150.26 65.35,150.29 65.37,150.31 v1(65.37,149.83) ; 65.35,150.31 58.91,150.31 58.5,149.9 53.1,149.9 52.69,150.31 v1(30.35,150.31) ; v1(33.44,119.6) 32.68,119.6 31.23,118.16 U116.8 ; v1(126.56,138.91) U119.8 125.39,139.37 124.71,140.05 121.76,140.05 120.19,141.63 119.5,141.63 119.14,141.27 118.36,141.27 118,141.63 U68.8 ; U117.8 v1(16.27,123.41)
  B w0.3: 30.35,121.15 v1(30.35,121.16) U60.8 ; U75.8 v1(23.89,76.58)
  B w0.5: U89.8 27.32,20.67 26.2,19.55 U92.8 ; v1(31.44,122.07) U60.8
/DATA_RESET: length 411.3
  T w0.2: v1(123.64,101.39) 123.67,101.37 U76.9 ; v1(67.1,143.91) 67.3,143.72 U62.9
  T w0.5: v1(31.49,123.34) U118.9
  SIG1 w0.2: v1(27.88,91.03) 28.39,91.54 v1(32.4,91.54) v1(105.78,91.54) ; v1(23.94,139.37) 24.43,139.85 24.43,142.51 25.19,143.28 47.5,143.28 48.63,144.42 66.79,144.42 67.1,144.12 v1(67.1,143.91) ; v1(126.1,129.69) 126.1,102.38 125.11,101.39 v1(123.64,101.39) 115.64,101.39 113.84,99.59 113.03,99.59 113.03,99.6 111.68,100.95 108.67,100.95 108.24,100.52 108.24,98.97 106.37,97.1 v1(105.99,97.1) ; v1(24.48,120.19) v1(32.4,120.19)